# KiCad board 5x25.kicad_pcb (continued)
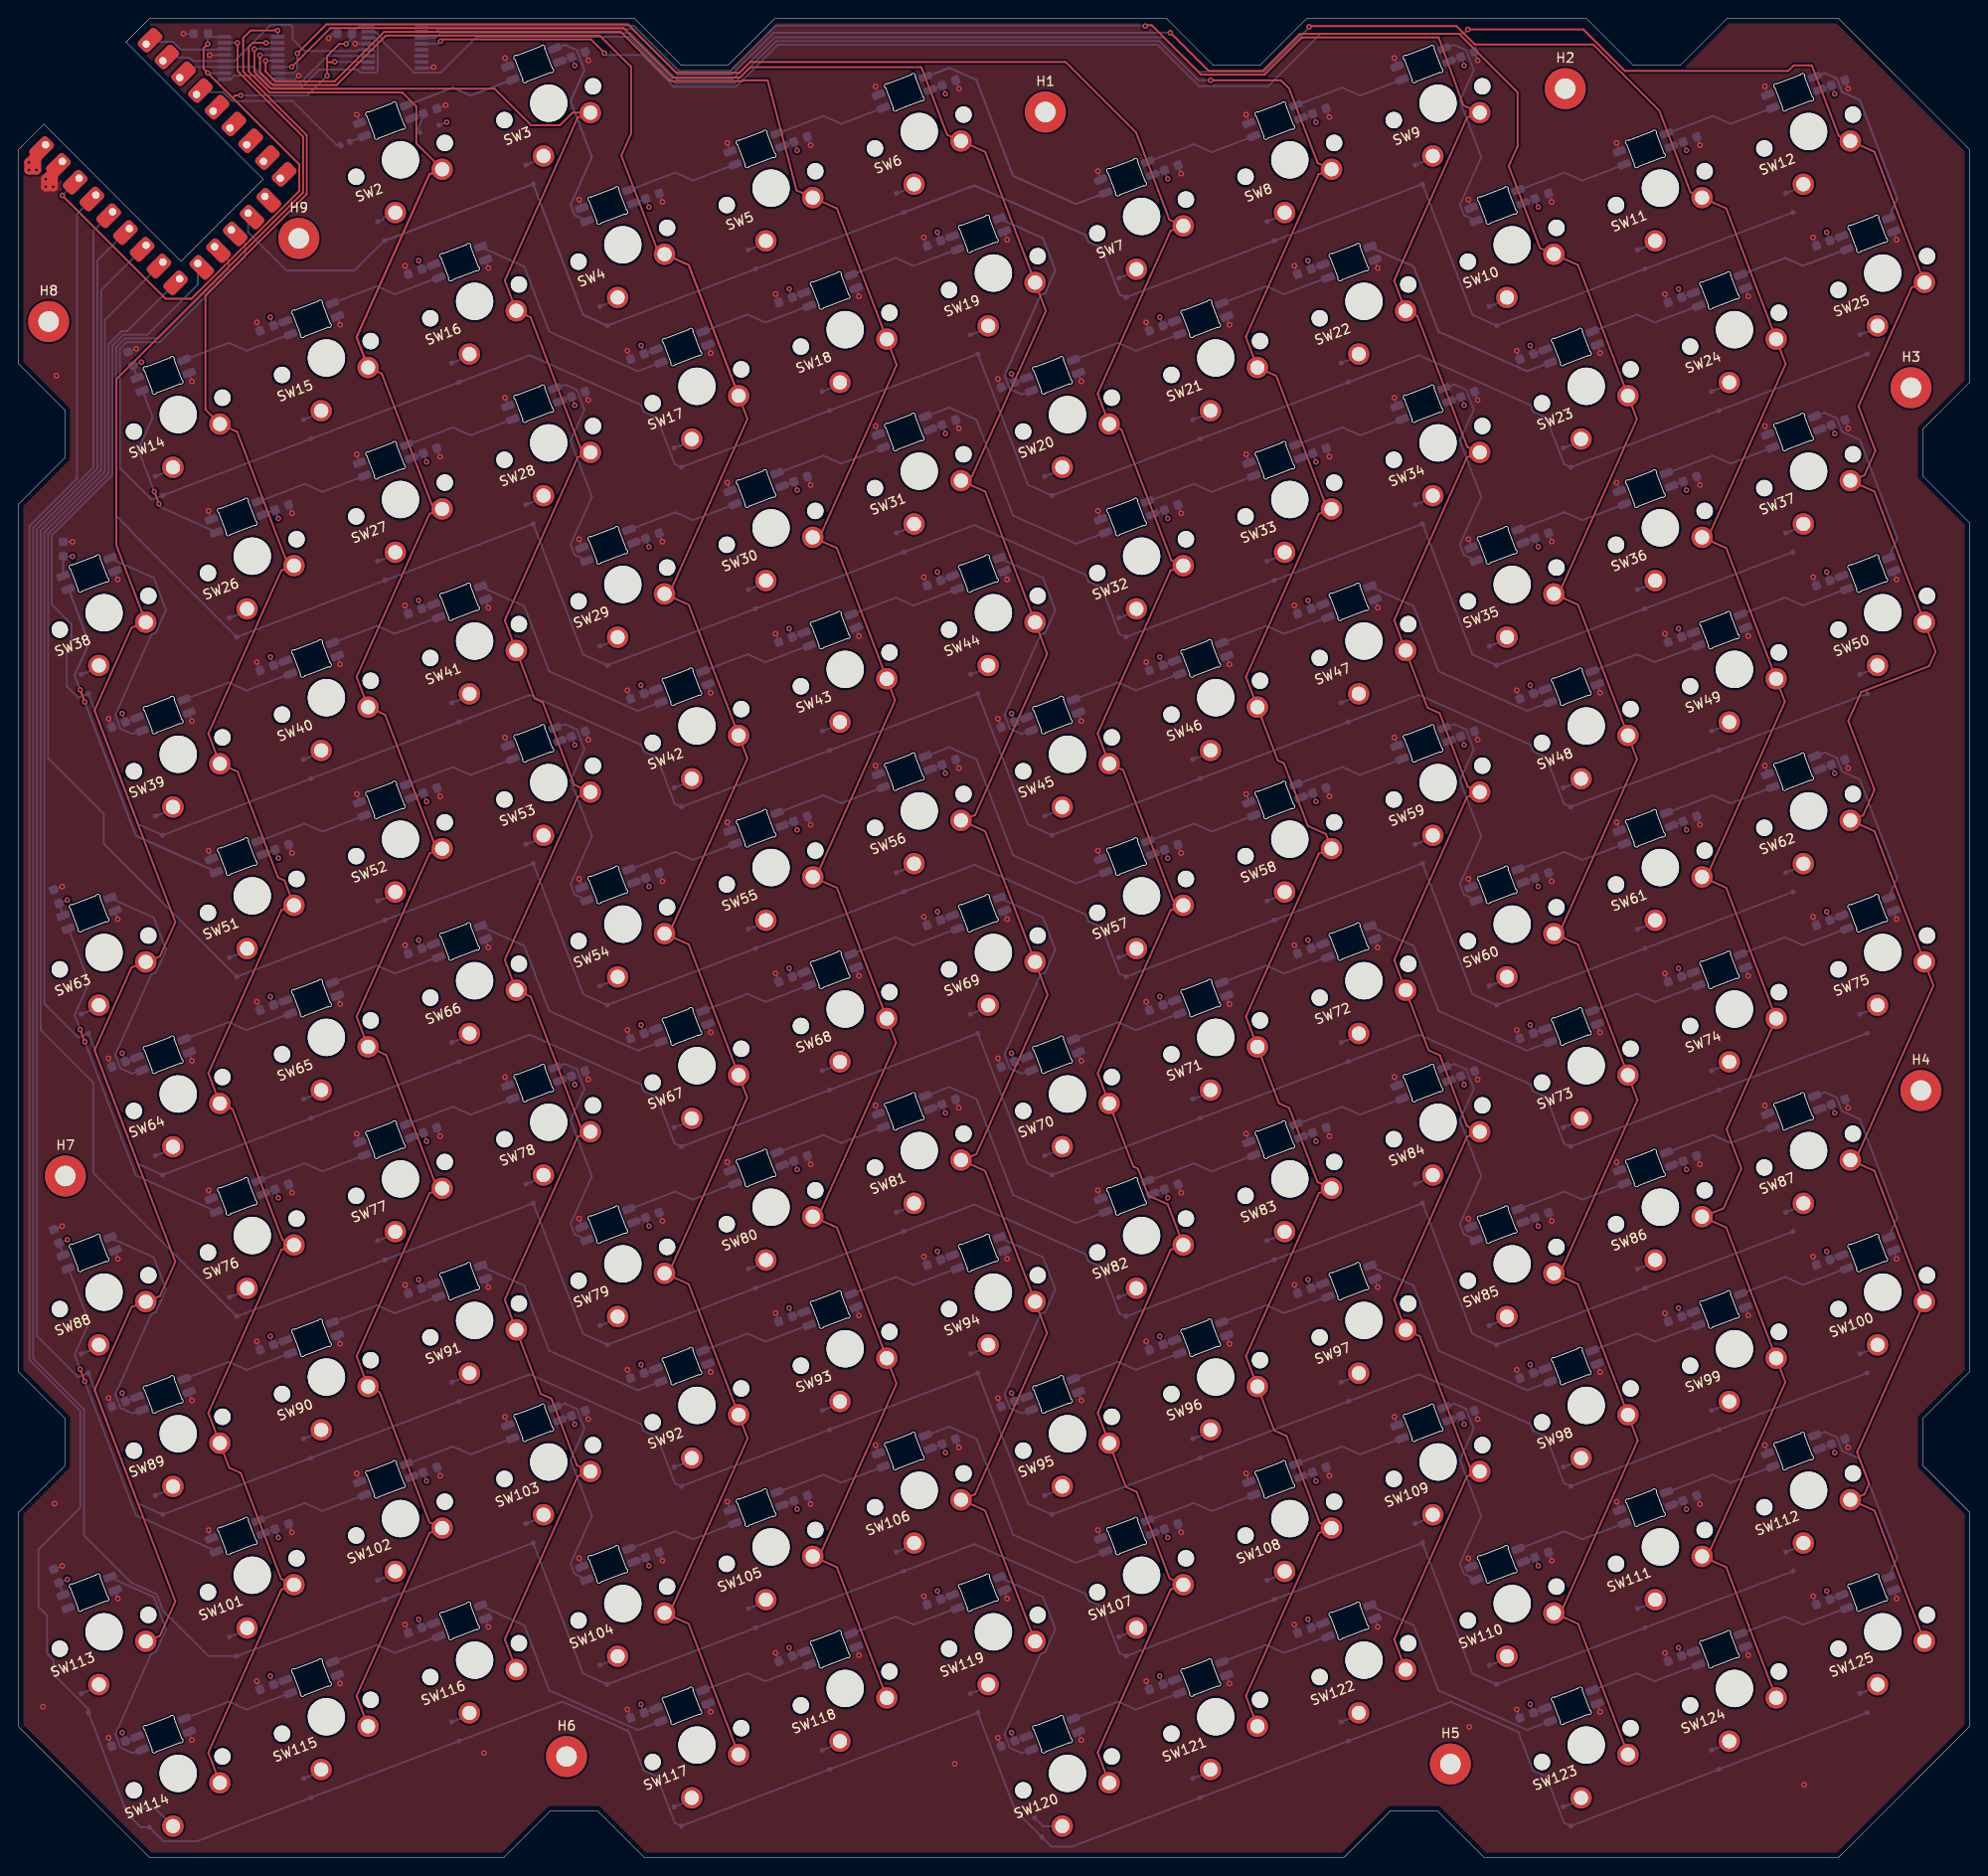
[diagram p0: board, top side]
## Routing (per net, layer and track width the routed paths; a pad name or vN(x,y) marks a point on that pad's centre or on a via; arc(x,y) is an arc through that point) (continued)
Net-(D23-A): length 2.2
  Bottom w0.2: D23.2 167.27,151.68 SW23.2
Net-(D24-A): length 2.2
  Bottom w0.2: D24.2 183.15,157.74 SW24.2
Net-(D25-A): length 2.2
  Bottom w0.2: SW25.2 199.03,163.81 D25.2
Net-(D26-A): length 2.2
  Bottom w0.2: SW26.2 24.34,133.48 D26.2
Net-(D27-A): length 2.2
  Bottom w0.2: SW27.2 40.22,139.54 D27.2
Net-(D28-A): length 2.2
  Bottom w0.2: SW28.2 56.11,145.61 D28.2
Net-(D29-A): length 2.2
  Bottom w0.2: SW29.2 64.05,130.44 D29.2
Net-(D30-A): length 2.2
  Bottom w0.2: D30.2 79.93,136.51 SW30.2
Net-(D31-A): length 2.2
  Bottom w0.2: SW31.2 95.81,142.58 D31.2
Net-(D32-A): length 2.2
  Bottom w0.2: SW32.2 119.63,133.48 D32.2
Net-(D33-A): length 2.2
  Bottom w0.2: D33.2 135.51,139.54 SW33.2
Net-(D34-A): length 2.2
  Bottom w0.2: SW34.2 151.39,145.61 D34.2
Net-(D35-A): length 2.2
  Bottom w0.2: D35.2 159.33,130.44 SW35.2
Net-(D36-A): length 2.2
  Bottom w0.2: SW36.2 175.21,136.51 D36.2
Net-(D37-A): length 2.2
  Bottom w0.2: D37.2 191.09,142.58 SW37.2
Net-(D38-A): length 2.2
  Bottom w0.2: SW38.2 8.46,127.41 D38.2
Net-(D39-A): length 2.2
  Bottom w0.2: D39.2 16.4,112.25 SW39.2
Net-(D40-A): length 2.2
  Bottom w0.2: SW40.2 32.28,118.31 D40.2
Net-(D41-A): length 2.2
  Bottom w0.2: D41.2 48.16,124.38 SW41.2
Net-(D42-A): length 2.2
  Bottom w0.2: SW42.2 71.99,115.28 D42.2
Net-(D43-A): length 2.2
  Bottom w0.2: SW43.2 87.87,121.35 D43.2
Net-(D44-A): length 2.2
  Bottom w0.2: D44.2 103.75,127.41 SW44.2
Net-(D45-A): length 2.2
  Bottom w0.2: D45.2 111.69,112.25 SW45.2
Net-(D46-A): length 2.2
  Bottom w0.2: SW46.2 127.57,118.31 D46.2
Net-(D47-A): length 2.2
  Bottom w0.2: D47.2 143.45,124.38 SW47.2
Net-(D48-A): length 2.2
  Bottom w0.2: D48.2 167.27,115.28 SW48.2
Net-(D49-A): length 2.2
  Bottom w0.2: D49.2 183.15,121.35 SW49.2
Net-(D50-A): length 2.2
  Bottom w0.2: D50.2 199.03,127.41 SW50.2
Net-(D51-A): length 2.2
  Bottom w0.2: D51.2 24.34,97.08 SW51.2
Net-(D52-A): length 2.2
  Bottom w0.2: SW52.2 40.22,103.15 D52.2
Net-(D53-A): length 2.2
  Bottom w0.2: SW53.2 56.11,109.21 D53.2
Net-(D54-A): length 2.2
  Bottom w0.2: D54.2 64.05,94.05 SW54.2
Net-(D55-A): length 2.2
  Bottom w0.2: SW55.2 79.93,100.12 D55.2
Net-(D56-A): length 2.2
  Bottom w0.2: SW56.2 95.81,106.18 D56.2
Net-(D57-A): length 2.2
  Bottom w0.2: D57.2 119.63,97.08 SW57.2
Net-(D58-A): length 2.2
  Bottom w0.2: SW58.2 135.51,103.15 D58.2
Net-(D59-A): length 2.2
  Bottom w0.2: D59.2 151.39,109.21 SW59.2
Net-(D60-A): length 2.2
  Bottom w0.2: SW60.2 159.33,94.05 D60.2
Net-(D61-A): length 2.2
  Bottom w0.2: SW61.2 175.21,100.12 D61.2
Net-(D62-A): length 2.2
  Bottom w0.2: SW62.2 191.09,106.18 D62.2
Net-(D63-A): length 2.2
  Bottom w0.2: D63.2 8.46,91.02 SW63.2
Net-(D64-A): length 2.2
  Bottom w0.2: D64.2 16.4,75.85 SW64.2
Net-(D65-A): length 2.2
  Bottom w0.2: D65.2 32.28,81.92 SW65.2
Net-(D66-A): length 2.2
  Bottom w0.2: D66.2 48.16,87.98 SW66.2
Net-(D67-A): length 2.2
  Bottom w0.2: SW67.2 71.99,78.88 D67.2
Net-(D68-A): length 2.2
  Bottom w0.2: D68.2 87.87,84.95 SW68.2
Net-(D69-A): length 2.2
  Bottom w0.2: D69.2 103.75,91.02 SW69.2
Net-(D70-A): length 2.2
  Bottom w0.2: SW70.2 111.69,75.85 D70.2
Net-(D71-A): length 2.2
  Bottom w0.2: SW71.2 127.57,81.92 D71.2
Net-(D72-A): length 2.2
  Bottom w0.2: D72.2 143.45,87.98 SW72.2
Net-(D73-A): length 2.2
  Bottom w0.2: D73.2 167.27,78.88 SW73.2
Net-(D74-A): length 2.2
  Bottom w0.2: SW74.2 183.15,84.95 D74.2
Net-(D75-A): length 2.2
  Bottom w0.2: SW75.2 199.03,91.02 D75.2
Net-(D76-A): length 2.2
  Bottom w0.2: SW76.2 24.34,60.69 D76.2
Net-(D77-A): length 2.2
  Bottom w0.2: SW77.2 40.22,66.75 D77.2
Net-(D78-A): length 2.2
  Bottom w0.2: D78.2 56.11,72.82 SW78.2
Net-(D79-A): length 2.2
  Bottom w0.2: D79.2 64.05,57.65 SW79.2
Net-(D80-A): length 2.2
  Bottom w0.2: D80.2 79.93,63.72 SW80.2
Net-(D81-A): length 2.2
  Bottom w0.2: D81.2 95.81,69.79 SW81.2
Net-(D82-A): length 2.2
  Bottom w0.2: D82.2 119.63,60.69 SW82.2
Net-(D83-A): length 2.2
  Bottom w0.2: SW83.2 135.51,66.75 D83.2
Net-(D84-A): length 2.2
  Bottom w0.2: SW84.2 151.39,72.82 D84.2
Net-(D85-A): length 2.2
  Bottom w0.2: SW85.2 159.33,57.65 D85.2
Net-(D86-A): length 2.2
  Bottom w0.2: D86.2 175.21,63.72 SW86.2
Net-(D87-A): length 2.2
  Bottom w0.2: D87.2 191.09,69.79 SW87.2
Net-(D88-A): length 2.2
  Bottom w0.2: D88.2 8.46,54.62 SW88.2
Net-(D89-A): length 2.2
  Bottom w0.2: D89.2 16.4,39.46 SW89.2
Net-(D90-A): length 2.2
  Bottom w0.2: D90.2 32.28,45.52 SW90.2
Net-(D91-A): length 2.2
  Bottom w0.2: SW91.2 48.16,51.59 D91.2
Net-(D92-A): length 2.2
  Bottom w0.2: SW92.2 71.99,42.49 D92.2
Net-(D93-A): length 2.2
  Bottom w0.2: D93.2 87.87,48.55 SW93.2
Net-(D94-A): length 2.2
  Bottom w0.2: D94.2 103.75,54.62 SW94.2
Net-(D95-A): length 2.2
  Bottom w0.2: D95.2 111.69,39.46 SW95.2
Net-(D96-A): length 2.2
  Bottom w0.2: D96.2 127.57,45.52 SW96.2
Net-(D97-A): length 2.2
  Bottom w0.2: D97.2 143.45,51.59 SW97.2
Net-(D98-A): length 2.2
  Bottom w0.2: D98.2 167.27,42.49 SW98.2
Net-(D99-A): length 2.2
  Bottom w0.2: D99.2 183.15,48.55 SW99.2
Net-(D100-A): length 2.2
  Bottom w0.2: D100.2 199.03,54.62 SW100.2
Net-(D101-A): length 2.2
  Bottom w0.2: D101.2 24.34,24.29 SW101.2
Net-(D102-A): length 2.2
  Bottom w0.2: SW102.2 40.22,30.36 D102.2
Net-(D103-A): length 2.2
  Bottom w0.2: D103.2 56.11,36.42 SW103.2
Net-(D104-A): length 2.2
  Bottom w0.2: SW104.2 64.05,21.26 D104.2
Net-(D105-A): length 2.2
  Bottom w0.2: SW105.2 79.93,27.32 D105.2
Net-(D106-A): length 2.2
  Bottom w0.2: SW106.2 95.81,33.39 D106.2
Net-(D107-A): length 2.2
  Bottom w0.2: SW107.2 119.63,24.29 D107.2
Net-(D108-A): length 2.2
  Bottom w0.2: SW108.2 135.51,30.36 D108.2
Net-(D109-A): length 2.2
  Bottom w0.2: SW109.2 151.39,36.42 D109.2
Net-(D110-A): length 2.2
  Bottom w0.2: SW110.2 159.33,21.26 D110.2
Net-(D111-A): length 2.2
  Bottom w0.2: D111.2 175.21,27.32 SW111.2
Net-(D112-A): length 2.2
  Bottom w0.2: SW112.2 191.09,33.39 D112.2
Net-(D113-A): length 2.2
  Bottom w0.2: SW113.2 8.46,18.22 D113.2
Net-(D114-A): length 4.4
  Bottom w0.2: D114.2 14.6,5.28 SW114.2 16.4,3.06
Net-(D115-A): length 2.2
  Bottom w0.2: D115.2 32.28,9.13 SW115.2
Net-(D116-A): length 2.2
  Bottom w0.2: D116.2 48.16,15.19 SW116.2
Net-(D117-A): length 2.2
  Bottom w0.2: SW117.2 71.99,6.09 D117.2
Net-(D118-A): length 2.2
  Bottom w0.2: D118.2 87.87,12.16 SW118.2
Net-(D119-A): length 2.2
  Bottom w0.2: SW119.2 103.75,18.22 D119.2
Net-(D120-A): length 3.6
  Bottom w0.2: D120.2 109.74,3.34 SW120.2 111.69,3.06
Net-(D121-A): length 2.2
  Bottom w0.2: SW121.2 127.57,9.13 D121.2
Net-(D122-A): length 2.2
  Bottom w0.2: SW122.2 143.45,15.19 D122.2
Net-(D123-A): length 2.2
  Bottom w0.2: D123.2 167.27,6.09 SW123.2
Net-(D124-A): length 2.2
  Bottom w0.2: SW124.2 183.15,12.16 D124.2
Net-(D125-A): length 2.2
  Bottom w0.2: SW125.2 199.03,18.22 D125.2
Net-(D900-K): length 3.6
  Bottom w0.2: 42.05,186.32 C2.1 43.42,186.66 42.8,185.27 D900.1
Net-(LED2-DIN): length 1.8
  Bottom w0.2: R1.2 37.1,184.43
Net-(LED2-DOUT): length 24.6
  Bottom w0.2: 48.42,188.76 52.98,190.5 48.42,188.76 ; 48.42,188.76 46.52,189.61 ; 48.42,188.76 46.52,189.61 ; 46.52,189.61 41.52,187.7 46.52,189.61
Net-(LED3-DOUT): length 46.5
  Bottom w0.2: 59.81,193.62 60.62,191.51 ; 59.81,193.62 58.52,194.2 ; 59.81,193.62 60.62,191.51 ; 59.81,193.62 58.52,194.2 ; 60.62,191.51 59.13,188.18 ; 60.62,191.51 59.13,188.18 ; 59.13,188.18 61.42,182.18 ; 59.13,188.18 61.42,182.18 ; 61.42,182.18 59.13,177.06 ; 61.42,182.18 59.13,177.06 ; 59.13,177.06 59.56,175.94 ; 59.13,177.06 59.56,175.94 ; 59.56,175.94 60.92,175.33 59.56,175.94 ; 58.52,194.2 57.4,193.77 58.52,194.2
Net-(LED4-DOUT): length 12.3
  Bottom w0.2: 65.34,178.6 70.34,180.51 72.24,179.66 76.8,181.4
Net-(LED5-DOUT): length 12.3
  Bottom w0.2: 81.22,184.67 86.22,186.58 88.12,185.73 92.68,187.47
Net-(LED6-DOUT): length 55.6
  Bottom w0.2: 113.29,177.14 116.5,178.37 113.29,177.14 ; 113.29,177.14 106.54,180.16 ; 113.29,177.14 106.54,180.16 ; 99.71,191.73 102.62,190.43 ; 99.71,191.73 97.11,190.74 99.71,191.73 ; 99.71,191.73 102.62,190.43 ; 102.62,190.43 106.54,180.16 ; 102.62,190.43 106.54,180.16
Net-(LED7-DOUT): length 12.3
  Bottom w0.2: 132.38,184.43 127.83,182.69 125.92,183.54 120.93,181.64
Net-(LED8-DOUT): length 12.3
  Bottom w0.2: 136.81,187.7 141.8,189.61 143.71,188.76 148.26,190.5
Net-(LED10-DIN): length 23.2
  Bottom w0.2: 152.69,193.77 153.81,194.2 155.1,193.62 155.91,191.51 154.42,188.18 156.71,182.18 154.42,177.06 154.85,175.94 156.2,175.33
Net-(LED10-DOUT): length 12.3
  Bottom w0.2: 172.09,181.4 167.53,179.66 165.63,180.51 160.63,178.6
Net-(LED11-DOUT): length 12.3
  Bottom w0.2: 176.51,184.67 181.51,186.58 183.41,185.73 187.97,187.47
Net-(LED12-DOUT): length 39.8
  Bottom w0.2: 194.8,190.58 195.36,189.14 ; 194.8,190.58 193.51,191.16 ; 194.8,190.58 193.51,191.16 ; 194.8,190.58 195.36,189.14 ; 195.36,189.14 197.26,188.29 ; 195.36,189.14 197.26,188.29 ; 193.51,191.16 192.39,190.74 193.51,191.16 ; 201.28,177.74 200.32,175.59 201.28,177.74 ; 201.28,177.74 197.26,188.29 ; 201.28,177.74 197.26,188.29
Net-(LED14-DIN): length 12.3
  Bottom w0.2: 17.69,160.43 22.51,162.27 24.42,161.42 29.15,163.23
Net-(LED14-DOUT): length 20.1
  Top w0.2: v1(14.53,146.32) v1(15.03,145.02)
  Bottom w0.2: v1(14.53,146.32) 12.82,150.82 14.37,154.28 13.27,157.16 ; 21.22,141.97 15.16,144.68 v1(15.03,145.02)
Net-(LED15-DIN): length 12.3
  Bottom w0.2: 45.03,169.29 40.3,167.48 38.39,168.34 33.57,166.49
Net-(LED16-DIN): length 25.7
  Bottom w0.2: 49.45,172.56 54.17,170.45 56.84,163.47 66.33,159.23 68.85,160.19
Net-(LED17-DIN): length 12.3
  Bottom w0.2: 84.73,166.26 80,164.45 78.1,165.3 73.28,163.46
Net-(LED18-DIN): length 12.3
  Bottom w0.2: 100.61,172.32 95.88,170.52 93.98,171.37 89.16,169.53
Net-(LED19-DIN): length 51.3
  Bottom w0.2: 107.48,156.75 106.19,157.33 ; 107.48,156.75 108.55,157.16 107.48,156.75 ; 107.48,156.75 106.19,157.33 ; 106.19,157.33 105.63,158.78 ; 106.19,157.33 105.63,158.78 ; 109.76,173.48 105.04,175.59 109.76,173.48 ; 109.76,173.48 111.07,170.04 ; 109.76,173.48 111.07,170.04 ; 109.98,167.59 111.07,170.04 ; 109.98,167.59 109.49,167.4 ; 109.98,167.59 109.49,167.4 ; 109.98,167.59 111.07,170.04 ; 109.49,167.4 105.63,158.78 ; 109.49,167.4 105.63,158.78
Net-(LED20-DIN): length 12.3
  Bottom w0.2: 112.98,160.43 117.8,162.27 119.7,161.42 124.43,163.23
Net-(LED21-DIN): length 12.3
  Bottom w0.2: 140.31,169.29 135.58,167.48 133.68,168.34 128.86,166.49
Net-(LED22-DIN): length 51.5
  Bottom w0.2: 149.46,170.45 144.74,172.56 149.46,170.45 ; 149.46,170.45 152.12,163.47 ; 149.46,170.45 152.12,163.47 ; 161.61,159.23 152.12,163.47 ; 161.61,159.23 164.14,160.19 161.61,159.23 ; 161.61,159.23 152.12,163.47
Net-(LED23-DIN): length 12.3
  Bottom w0.2: 180.02,166.26 175.29,164.45 173.38,165.3 168.56,163.46
Net-(LED24-DIN): length 24.6
  Bottom w0.2: 191.17,170.52 189.26,171.37 ; 191.17,170.52 189.26,171.37 ; 191.17,170.52 195.9,172.32 191.17,170.52 ; 189.26,171.37 184.44,169.53 189.26,171.37
Net-(LED26-DOUT): length 12.3
  Bottom w0.2: 37.1,148.04 32.54,146.3 30.64,147.15 25.64,145.24
Net-(LED27-DOUT): length 12.3
  Bottom w0.2: 52.98,154.1 48.42,152.36 46.52,153.21 41.52,151.31
Net-(LED28-DOUT): length 23.2
  Bottom w0.2: 57.4,157.37 58.52,157.8 59.81,157.22 60.62,155.11 59.13,151.78 61.42,145.78 59.13,140.66 59.56,139.55 60.92,138.94
Net-(LED29-DOUT): length 12.3
  Bottom w0.2: 65.34,142.21 70.34,144.12 72.24,143.26 76.8,145
Net-(LED30-DOUT): length 12.3
  Bottom w0.2: 81.22,148.27 86.22,150.18 88.12,149.33 92.68,151.07
Net-(LED31-DOUT): length 27.8
  Bottom w0.2: 116.5,141.97 113.29,140.74 106.54,143.76 102.62,154.04 99.71,155.34 97.11,154.34
Net-(LED32-DOUT): length 12.3
  Bottom w0.2: 132.38,148.04 127.83,146.3 125.92,147.15 120.93,145.24
Net-(LED33-DOUT): length 12.3
  Bottom w0.2: 148.26,154.1 143.71,152.36 141.8,153.21 136.81,151.31
Net-(LED34-DOUT): length 23.2
  Bottom w0.2: 152.69,157.37 153.81,157.8 155.1,157.22 155.91,155.11 154.42,151.78 156.71,145.78 154.42,140.66 154.85,139.55 156.2,138.94
Net-(LED35-DOUT): length 12.3
  Bottom w0.2: 160.63,142.21 165.63,144.12 167.53,143.26 172.09,145
Net-(LED36-DOUT): length 12.3
  Bottom w0.2: 187.97,151.07 183.41,149.33 181.51,150.18 176.51,148.27
Net-(LED37-DOUT): length 19.9
  Bottom w0.2: 192.39,154.34 193.51,154.77 194.8,154.19 195.36,152.74 197.26,151.89 201.28,141.35 200.32,139.2
Net-(LED38-DIN): length 25.6
  Bottom w0.2: 13.27,120.76 12.19,120.35 10.9,120.93 10.35,122.38 14.21,131.01 14.69,131.19 15.79,133.64 14.47,137.09 9.75,139.2
Net-(LED38-DOUT): length 75.8
  Top w0.2: v1(7.09,123.78) v1(6.59,125.09) v1(7.09,123.78)
  Bottom w0.2: 7.55,130.12 5.33,135.93 7.55,130.12 ; 7.55,130.12 5.99,126.65 ; 7.55,130.12 5.99,126.65 ; 5.99,126.65 v1(6.59,125.09) 5.99,126.65 ; 12.56,109.45 21.22,105.58 12.56,109.45 ; 12.56,109.45 v1(7.09,123.78) 12.56,109.45
Net-(LED39-DIN): length 12.3
  Bottom w0.2: 17.69,124.03 22.51,125.87 24.42,125.02 29.15,126.83
Net-(LED40-DIN): length 12.3
  Bottom w0.2: 45.03,132.9 40.3,131.09 38.39,131.94 33.57,130.1
Net-(LED41-DIN): length 25.7
  Bottom w0.2: 68.85,123.8 66.33,122.83 56.84,127.08 54.17,134.05 49.45,136.16
Net-(LED42-DIN): length 12.3
  Bottom w0.2: 73.28,127.07 78.1,128.91 80,128.06 84.73,129.86
Net-(LED43-DIN): length 12.3
  Bottom w0.2: 100.61,135.93 95.88,134.12 93.98,134.97 89.16,133.13
Net-(LED44-DIN): length 25.6
  Bottom w0.2: 105.04,139.2 109.76,137.09 111.07,133.64 109.98,131.19 109.49,131.01 105.63,122.38 106.19,120.93 107.48,120.35 108.55,120.76
Net-(LED45-DIN): length 12.3
  Bottom w0.2: 124.43,126.83 119.7,125.02 117.8,125.87 112.98,124.03
Net-(LED46-DIN): length 12.3
  Bottom w0.2: 140.31,132.9 135.58,131.09 133.68,131.94 128.86,130.1
Net-(LED47-DIN): length 25.7
  Bottom w0.2: 144.74,136.16 149.46,134.05 152.12,127.08 161.61,122.83 164.14,123.8
Net-(LED48-DIN): length 12.3
  Bottom w0.2: 180.02,129.86 175.29,128.06 173.38,128.91 168.56,127.07
Net-(LED49-DIN): length 12.3
  Bottom w0.2: 195.9,135.93 191.17,134.12 189.26,134.97 184.44,133.13
Net-(LED51-DOUT): length 12.3
  Bottom w0.2: 25.64,108.84 30.64,110.75 32.54,109.9 37.1,111.64
Net-(LED52-DOUT): length 12.3
  Bottom w0.2: 41.52,114.91 46.52,116.82 48.42,115.97 52.98,117.71
Net-(LED53-DOUT): length 23.2
  Bottom w0.2: 60.92,102.54 59.56,103.15 59.13,104.27 61.42,109.38 59.13,115.38 60.62,118.72 59.81,120.83 58.52,121.4 57.4,120.98
Net-(LED54-DOUT): length 12.3
  Bottom w0.2: 76.8,108.61 72.24,106.87 70.34,107.72 65.34,105.81
Net-(LED55-DOUT): length 12.3
  Bottom w0.2: 81.22,111.88 86.22,113.79 88.12,112.93 92.68,114.67
Net-(LED56-DOUT): length 27.8
  Bottom w0.2: 116.5,105.58 113.29,104.35 106.54,107.36 102.62,117.64 99.71,118.94 97.11,117.94
Net-(LED57-DOUT): length 12.3
  Bottom w0.2: 132.38,111.64 127.83,109.9 125.92,110.75 120.93,108.84
Net-(LED58-DOUT): length 12.3
  Bottom w0.2: 148.26,117.71 143.71,115.97 141.8,116.82 136.81,114.91
Net-(LED59-DOUT): length 23.2
  Bottom w0.2: 156.2,102.54 154.85,103.15 154.42,104.27 156.71,109.38 154.42,115.38 155.91,118.72 155.1,120.83 153.81,121.4 152.69,120.98
Net-(LED60-DOUT): length 12.3
  Bottom w0.2: 172.09,108.61 167.53,106.87 165.63,107.72 160.63,105.81
Net-(LED61-DOUT): length 12.3
  Bottom w0.2: 176.51,111.88 181.51,113.79 183.41,112.93 187.97,114.67
Net-(LED62-DOUT): length 19.9
  Bottom w0.2: 200.32,102.8 201.28,104.95 197.26,115.49 195.36,116.35 194.8,117.79 193.51,118.37 192.39,117.94
Net-(LED63-DIN): length 25.6
  Bottom w0.2: 9.75,102.8 14.47,100.69 15.79,97.24 14.69,94.8 14.21,94.61 10.35,85.98 10.9,84.54 12.19,83.96 13.27,84.37
Net-(LED63-DOUT): length 37.9
  Top w0.2: v1(7.09,87.39) v1(6.59,88.69)
  Bottom w0.2: 21.22,69.18 12.56,73.05 v1(7.09,87.39) ; v1(6.59,88.69) 5.99,90.25 7.55,93.72 5.33,99.53
Net-(LED64-DIN): length 12.3
  Bottom w0.2: 29.15,90.43 24.42,88.63 22.51,89.48 17.69,87.64
Net-(LED65-DIN): length 12.3
  Bottom w0.2: 45.03,96.5 40.3,94.69 38.39,95.54 33.57,93.7
Net-(LED66-DIN): length 25.7
  Bottom w0.2: 49.45,99.77 54.17,97.66 56.84,90.68 66.33,86.44 68.85,87.4
Net-(LED67-DIN): length 12.3
  Bottom w0.2: 73.28,90.67 78.1,92.51 80,91.66 84.73,93.47
Net-(LED68-DIN): length 12.3
  Bottom w0.2: 89.16,96.74 93.98,98.58 95.88,97.73 100.61,99.53
Net-(LED69-DIN): length 25.6
  Bottom w0.2: 108.55,84.37 107.48,83.96 106.19,84.54 105.63,85.98 109.49,94.61 109.98,94.8 111.07,97.24 109.76,100.69 105.04,102.8
Net-(LED70-DIN): length 12.3
  Bottom w0.2: 124.43,90.43 119.7,88.63 117.8,89.48 112.98,87.64
Net-(LED71-DIN): length 12.3
  Bottom w0.2: 140.31,96.5 135.58,94.69 133.68,95.54 128.86,93.7
Net-(LED72-DIN): length 25.7
  Bottom w0.2: 164.14,87.4 161.61,86.44 152.12,90.68 149.46,97.66 144.74,99.77
Net-(LED73-DIN): length 12.3
  Bottom w0.2: 180.02,93.47 175.29,91.66 173.38,92.51 168.56,90.67
Net-(LED74-DIN): length 12.3
  Bottom w0.2: 195.9,99.53 191.17,97.73 189.26,98.58 184.44,96.74
Net-(LED76-DOUT): length 12.3
  Bottom w0.2: 25.64,72.45 30.64,74.36 32.54,73.51 37.1,75.25
Net-(LED77-DOUT): length 12.3
  Bottom w0.2: 41.52,78.51 46.52,80.42 48.42,79.57 52.98,81.31
Net-(LED78-DOUT): length 23.2
  Bottom w0.2: 60.92,66.15 59.56,66.75 59.13,67.87 61.42,72.99 59.13,78.99 60.62,82.32 59.81,84.43 58.52,85.01 57.4,84.58
Net-(LED79-DOUT): length 12.3
  Bottom w0.2: 76.8,72.21 72.24,70.47 70.34,71.32 65.34,69.42
Net-(LED80-DOUT): length 12.3
  Bottom w0.2: 92.68,78.28 88.12,76.54 86.22,77.39 81.22,75.48
Net-(LED81-DOUT): length 27.8
  Bottom w0.2: 97.11,81.55 99.71,82.54 102.62,81.24 106.54,70.97 113.29,67.95 116.5,69.18
Net-(LED82-DOUT): length 12.3
  Bottom w0.2: 120.93,72.45 125.92,74.36 127.83,73.51 132.38,75.25
Net-(LED83-DOUT): length 12.3
  Bottom w0.2: 136.81,78.51 141.8,80.42 143.71,79.57 148.26,81.31
Net-(LED84-DOUT): length 23.2
  Bottom w0.2: 152.69,84.58 153.81,85.01 155.1,84.43 155.91,82.32 154.42,78.99 156.71,72.99 154.42,67.87 154.85,66.75 156.2,66.15
Net-(LED85-DOUT): length 12.3
  Bottom w0.2: 160.63,69.42 165.63,71.32 167.53,70.47 172.09,72.21
Net-(LED86-DOUT): length 12.3
  Bottom w0.2: 187.97,78.28 183.41,76.54 181.51,77.39 176.51,75.48
Net-(LED88-DIN): length 25.6
  Bottom w0.2: 13.27,47.97 12.19,47.56 10.9,48.14 10.35,49.59 14.21,58.22 14.69,58.4 15.79,60.85 14.47,64.3 9.75,66.41
Net-(LED89-DIN): length 12.3
  Bottom w0.2: 17.69,51.24 22.51,53.08 24.42,52.23 29.15,54.04
Net-(LED90-DIN): length 12.3
  Bottom w0.2: 33.57,57.31 38.39,59.15 40.3,58.3 45.03,60.1
Net-(LED91-DIN): length 25.7
  Bottom w0.2: 49.45,63.37 54.17,61.26 56.84,54.29 66.33,50.04 68.85,51.01
Net-(LED92-DIN): length 12.3
  Bottom w0.2: 84.73,57.07 80,55.26 78.1,56.12 73.28,54.27
Net-(LED93-DIN): length 12.3
  Bottom w0.2: 89.16,60.34 93.98,62.18 95.88,61.33 100.61,63.14
Net-(LED94-DIN): length 25.6
  Bottom w0.2: 108.55,47.97 107.48,47.56 106.19,48.14 105.63,49.59 109.49,58.22 109.98,58.4 111.07,60.85 109.76,64.3 105.04,66.41
Net-(LED95-DIN): length 12.3
  Bottom w0.2: 112.98,51.24 117.8,53.08 119.7,52.23 124.43,54.04
Net-(LED96-DIN): length 12.3
  Bottom w0.2: 140.31,60.1 135.58,58.3 133.68,59.15 128.86,57.31
Net-(LED97-DIN): length 25.7
  Bottom w0.2: 164.14,51.01 161.61,50.04 152.12,54.29 149.46,61.26 144.74,63.37
Net-(LED98-DIN): length 12.3
  Bottom w0.2: 168.56,54.27 173.38,56.12 175.29,55.26 180.02,57.07
Net-(LED100-DIN): length 19.9
  Bottom w0.2: 192.39,81.55 193.51,81.98 194.8,81.4 195.36,79.95 197.26,79.1 201.28,68.56 200.32,66.41
Net-(LED100-DOUT): length 12.3
  Bottom w0.2: 184.44,60.34 189.26,62.18 191.17,61.33 195.9,63.14
Net-(LED101-DIN): length 37.9
  Top w0.2: v1(7.09,50.99) v1(6.59,52.3)
  Bottom w0.2: 21.22,32.78 12.56,36.65 v1(7.09,50.99) ; 5.33,63.14 7.55,57.33 5.99,53.85 v1(6.59,52.3)
Net-(LED101-DOUT): length 12.3
  Bottom w0.2: 25.64,36.05 30.64,37.96 32.54,37.11 37.1,38.85
Net-(LED102-DOUT): length 12.3
  Bottom w0.2: 52.98,44.92 48.42,43.18 46.52,44.03 41.52,42.12
Net-(LED103-DOUT): length 23.2
  Bottom w0.2: 57.4,48.18 58.52,48.61 59.81,48.03 60.62,45.92 59.13,42.59 61.42,36.59 59.13,31.48 59.56,30.36 60.92,29.75
Net-(LED104-DOUT): length 12.3
  Bottom w0.2: 65.34,33.02 70.34,34.93 72.24,34.08 76.8,35.82
Net-(LED105-DOUT): length 12.3
  Bottom w0.2: 81.22,39.09 86.22,40.99 88.12,40.14 92.68,41.88
Net-(LED106-DOUT): length 27.8
  Bottom w0.2: 116.5,32.78 113.29,31.56 106.54,34.57 102.62,44.85 99.71,46.15 97.11,45.15
Net-(LED107-DOUT): length 12.3
  Bottom w0.2: 120.93,36.05 125.92,37.96 127.83,37.11 132.38,38.85
Net-(LED108-DOUT): length 12.3
  Bottom w0.2: 148.26,44.92 143.71,43.18 141.8,44.03 136.81,42.12
Net-(LED109-DOUT): length 23.2
  Bottom w0.2: 152.69,48.18 153.81,48.61 155.1,48.03 155.91,45.92 154.42,42.59 156.71,36.59 154.42,31.48 154.85,30.36 156.2,29.75
Net-(LED110-DOUT): length 12.3
  Bottom w0.2: 160.63,33.02 165.63,34.93 167.53,34.08 172.09,35.82
Net-(LED111-DOUT): length 12.3
  Bottom w0.2: 187.97,41.88 183.41,40.14 181.51,40.99 176.51,39.09
Net-(LED112-DOUT): length 19.9
  Bottom w0.2: 200.32,30.01 201.28,32.16 197.26,42.7 195.36,43.55 194.8,45 193.51,45.58 192.39,45.15
Net-(LED113-DIN): length 25.6
  Bottom w0.2: 9.75,30.01 14.47,27.9 15.79,24.45 14.69,22.01 14.21,21.82 10.35,13.19 10.9,11.74 12.19,11.17 13.27,11.58
Net-(LED114-DIN): length 12.3
  Bottom w0.2: 29.15,17.64 24.42,15.84 22.51,16.69 17.69,14.85
Net-(LED115-DIN): length 12.3
  Bottom w0.2: 33.57,20.91 38.39,22.75 40.3,21.9 45.03,23.71
Net-(LED116-DIN): length 25.7
  Bottom w0.2: 49.45,26.98 54.17,24.87 56.84,17.89 66.33,13.65 68.85,14.61
Net-(LED117-DIN): length 12.3
  Bottom w0.2: 84.73,20.68 80,18.87 78.1,19.72 73.28,17.88
Net-(LED118-DIN): length 12.3
  Bottom w0.2: 89.16,23.94 93.98,25.79 95.88,24.93 100.61,26.74
Net-(LED119-DIN): length 25.6
  Bottom w0.2: 108.55,11.58 107.48,11.17 106.19,11.74 105.63,13.19 109.49,21.82 109.98,22.01 111.07,24.45 109.76,27.9 105.04,30.01
Net-(LED120-DIN): length 12.3
  Bottom w0.2: 112.98,14.85 117.8,16.69 119.7,15.84 124.43,17.64
Net-(LED121-DIN): length 12.3
  Bottom w0.2: 128.86,20.91 133.68,22.75 135.58,21.9 140.31,23.71
Net-(LED122-DIN): length 25.7
  Bottom w0.2: 144.74,26.98 149.46,24.87 152.12,17.89 161.61,13.65 164.14,14.61
Net-(LED123-DIN): length 12.3
  Bottom w0.2: 168.56,17.88 173.38,19.72 175.29,18.87 180.02,20.68
Net-(LED124-DIN): length 12.3
  Bottom w0.2: 195.9,26.74 191.17,24.93 189.26,25.79 184.44,23.94
Net-(U1-QH'): length 22.5
  Bottom w0.2: U1.9 22.7,190.51 23.08,190.89 25.51,190.89 26.79,189.61 30.28,189.61 32.2,191.54 36.31,191.54 36.64,191.21 38.25,191.21 38.48,191.44 38.48,194.66 38.18,194.96 U2.14

## Copper pours and planes (outline as drawn; the poured copper is in the pictures)
5V on In1.Cu: -10.95,218 304.05,218 304.05,-62 -10.95,-62
GND on Top, Bottom, In2.Cu: -3.94,213 301.06,213 301.06,-57 -3.94,-57
